# Altium PCB PCB.PcbDoc (part 3 of 5) (continued)
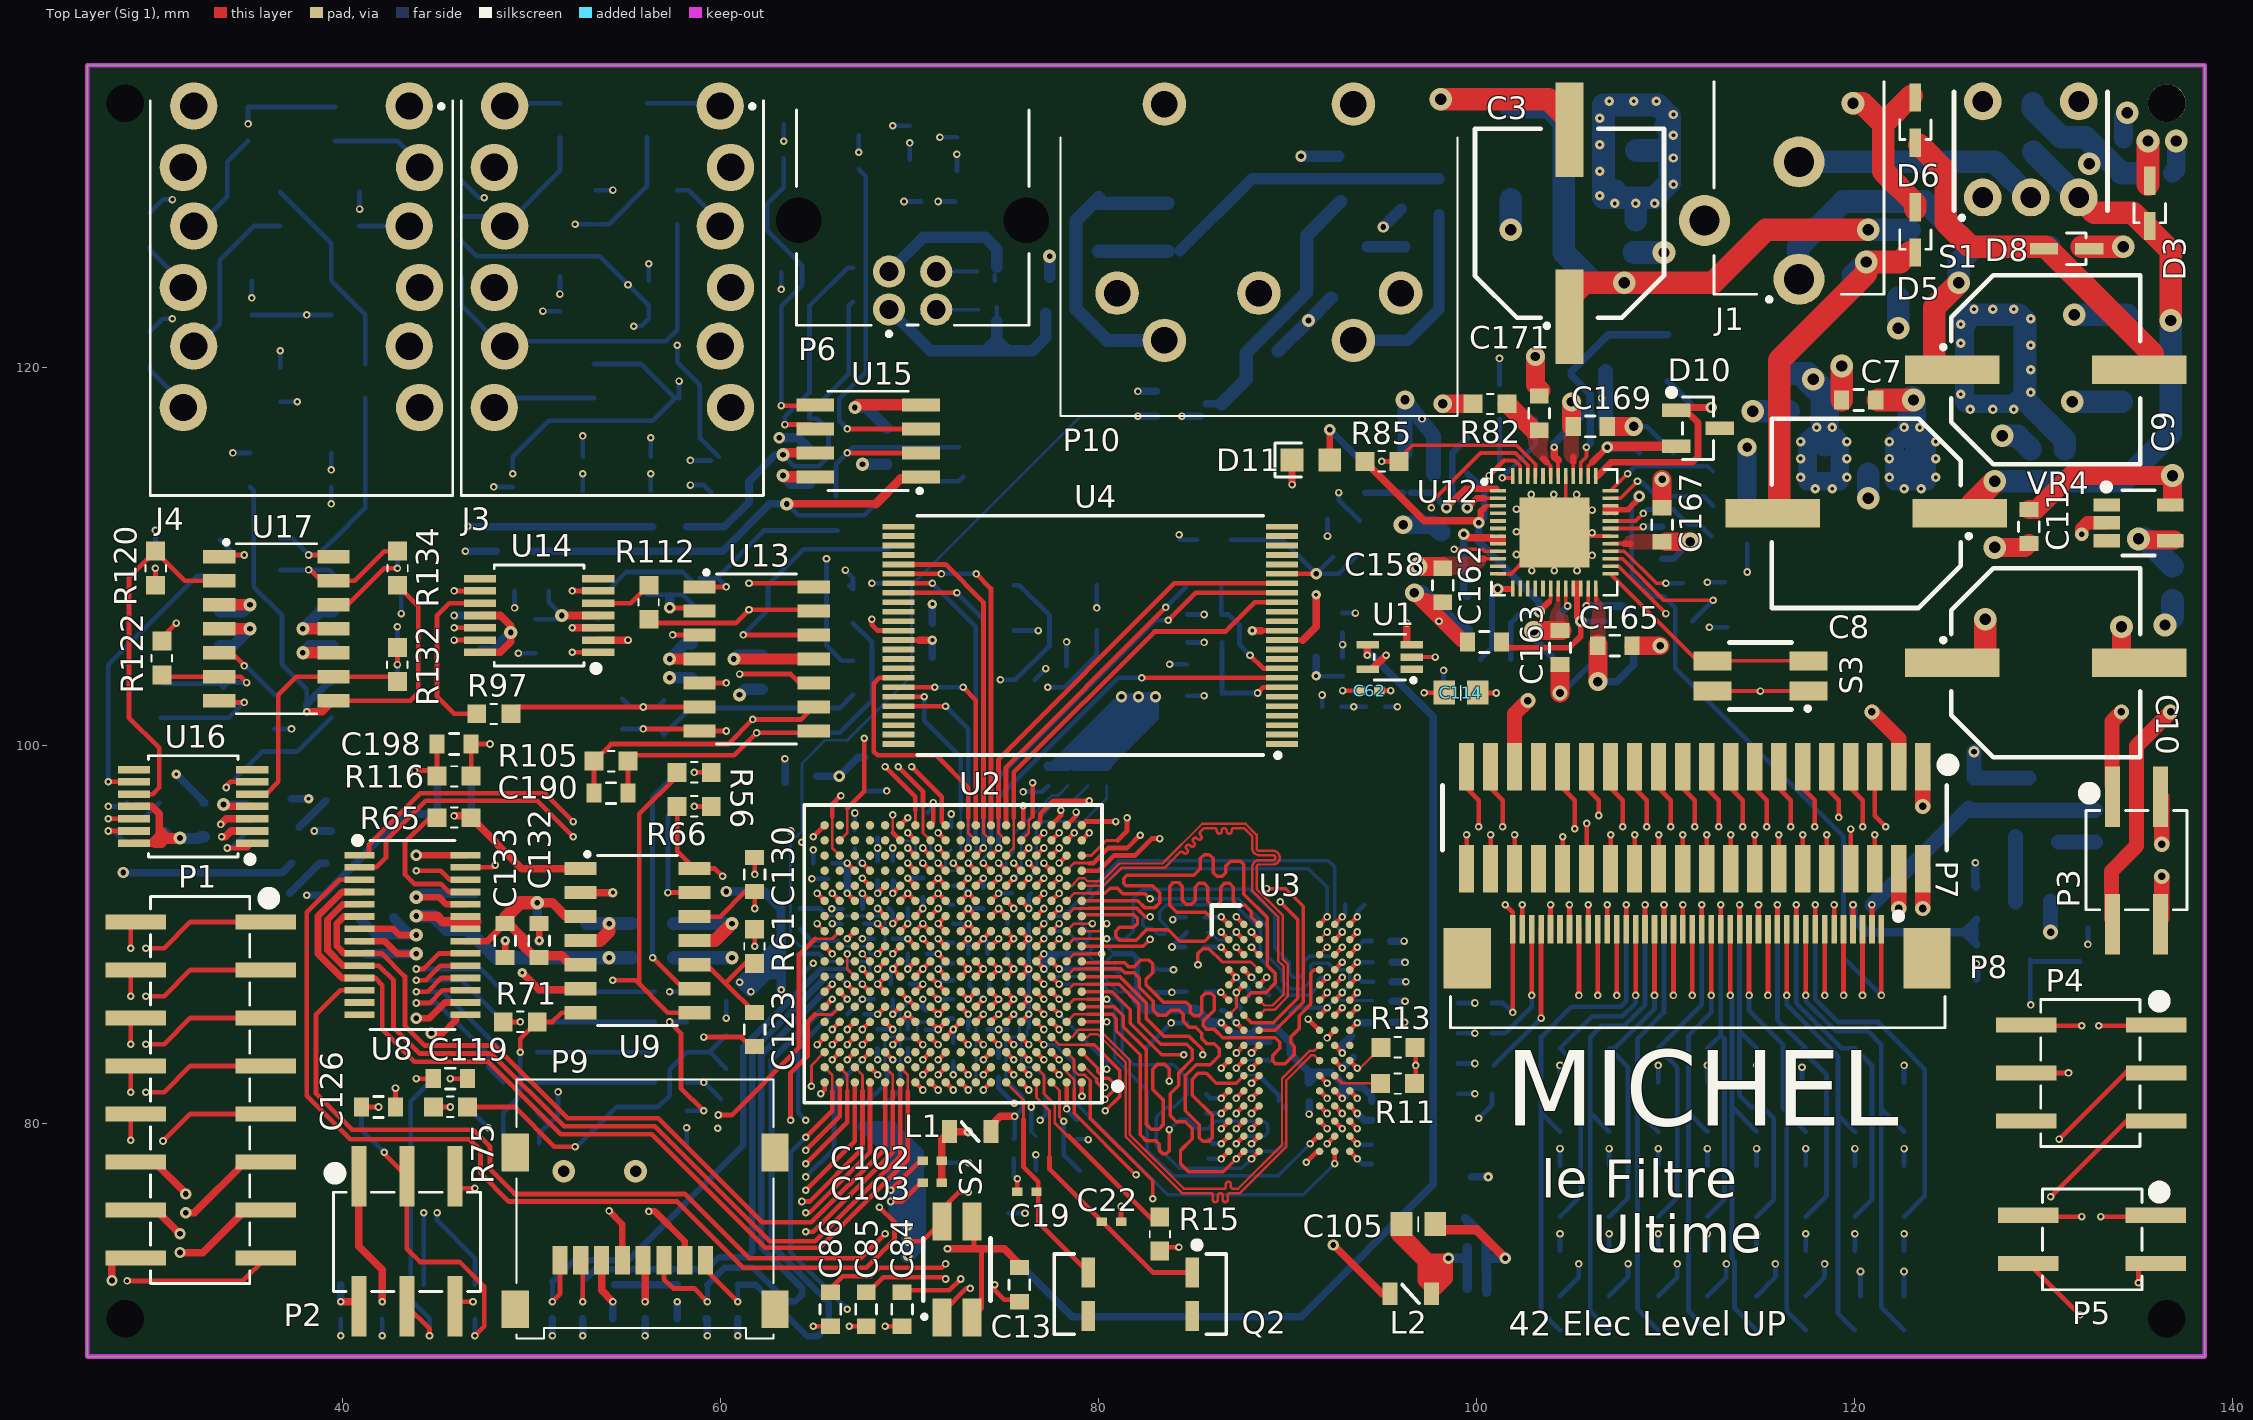
[diagram p0: Top Layer (Sig 1) view]
## Nets (pads, with @x,y where several pads share a name; then routed paths per layer and width w, separated by ;. In a path a pad name is that pad's centre, name@x,y a point inside that pad or via, vN(x,y) a via of type N, cw(c..) or ccw(c..) an arc to the next point about the centre after c; other vN are vias at no path point) (continued)
  Top Layer (Sig 1) w0.15: v1@79.1,81.485 v1(79.114,81.471) ; v1@79.425,79.2 v1(79.45,79.175) ; U3.G1@86.88,85.755 87.28,86.155 v1(87.28,86.955)
  Top Layer (Sig 1) w0.2: U12.12@101.125,109.1 101.8,109.1 U12.49@102.662,109.963 ; U12.49@104.7,112.825 U12.41@104.7,114.275 ; U12.49@105.45,111.1 U12.30@107.075,111.1 ; S3.3@112.46,102.9 v2(115,102.9) S3.1@117.54,102.9
  Top Layer (Sig 1) w0.25: P2.6@46.1,70.6 v2(46.9,70.6) ; P2.5@46.2,76.6 v2(47,76.6) ; v2(64.9,69.3) C86.1@65.8,69.3 ; v1(64.9,95.2) U2.V18@65.5,95.8 ; v1(65.3,81.6) 65.5,81.8 U2.A18@65.5,82.2 ; v2(66.8,69.3) C85.1@67.7,69.3 ; v2(68,106.7) 68,106.4 68.3,106.1 U4.36@69.4,106.1 ; v1(68.3,91.4) U2.M14@68.7,91 ; v2(68.7,69.3) C84.1@69.6,69.3 ; v1(69,75.9) 69.584,75.9 C103.2@70.634,76.95 ; v1(69,76.5) C102.2@70.613,78.113 ; U2.L13@69.5,90.2 v1(69.9,90.6) ; v10(69.9,73.8) 70.66,73.8 S2.3@71.7,74.84 ; U2.G12@70.3,87 v1(70.7,87.4) ; U2.H12@70.3,87.8 v1(70.7,88.2) U2.J11@71.1,88.6 ; U2.L12@70.3,90.2 v1(70.7,90.6) U2.L11@71.1,90.2 ; U2.M12@70.3,91 v1(70.7,91.4) ; v1(70.7,89.8) U2.K11@71.1,89.4 ; U2.G11@71.1,87 v1(71.5,86.6) ; U2.N11@71.1,91.8 v1(71.5,92.2) U2.N10@71.9,91.8 U2.N10@71.875,91.775 ; U2.V11@71.1,95.8 71.25,95.95 v1(71.25,97) ; v1(71.5,88.2) U2.H10@71.9,87.8 ; v1(71.5,89) U2.J10@71.9,88.6 ; v1(71.5,89.8) U2.K10@71.9,89.4 ; S2.1@71.8,69.76 71.8,70.1 73,71.3 v2(73.2,71.3) ; S2.3@71.8,74.84 71.8,75.6 72.6,76.4 v1(73.1,76.4) ; U2.L10@71.9,90.2 v1(71.5,90.6) U2.M10@71.9,91 ; U2.G9@72.7,87 v1(73.1,86.6) U2.G8@73.5,87 ; U2.H9@72.7,87.8 v1(73.1,88.2) U2.J9@72.7,88.6 ; U2.K9@72.7,89.4 v1(73.1,89.8) ; U2.M9@72.7,91 v1(73.1,91.4) U2.M8@73.5,91 ; U2.F8@73.5,86.2 v1(73.9,86.6) ; U2.H8@73.5,87.8 v1(73.9,88.2) U2.J8@73.5,88.6 ; U2.H7@74.3,87.8 v1(74.7,88.2) U2.J7@74.3,88.6 ; U2.K7@74.3,89.4 v1(74.7,89.8) ; U2.M7@74.3,91 v1(74.7,91.4) U2.M6@75.1,91 ; U2.N7@74.3,91.8 v1(74.7,92.2) ; v1(74.5,71.5) 74.5,71.2 75,70.7 C13.1@75.7,70.7 ; U2.H6@75.1,87.8 v1(75.5,88.2) U2.J6@75.1,88.6 ; C19.1@75.692,76.425 75.692,77.092 v3(75.7,77.1) ; U2.A5@75.9,82.2 v1(76.3,81.8) ; v1@79.1,81.485 U2.A1@79.1,82.2 ; U2.V1@79.1,95.8 79.3,96 v1(80.9,96) ; C22.1@81.183,74.825 v1(81.183,75.642) ; R15.1@83.425,73.475 v1(84.242,73.475) ; v1(86.48,78.155) U3.T1@86.879,78.555 ; v1(86.48,79.755) U3.P1@86.879,80.155 ; v1(86.48,81.355) U3.M1@86.879,81.755 ; v1(86.48,90.155) U3.B1@86.88,89.755 ; U3.E1@86.88,87.355 v1(87.28,87.755) U3.D1@86.88,88.155 ; v1(87.28,83.755) U3.J2@87.68,84.155 ; v1(87.28,86.955) U3.E2@87.68,87.355 ; v1(88.08,90.155) U3.B3@88.48,89.755 ; 88.6,106.1 U4.13@89.7,106.1 ; U3.J8@92.48,84.155 v1(92.88,83.755) ; U3.G8@92.48,85.755 v1(92.88,86.155) ; U3.E8@92.48,87.355 v1(92.88,87.755) ; U3.D8@92.48,88.155 v1(92.88,88.555) ; v1(92.9,102.925) C62.2@93.817,102.925 ; U3.T9@93.28,78.555 v1(93.68,78.155) ; U3.P9@93.28,80.155 v1(93.68,79.755) ; U3.M9@93.28,81.755 v1(93.68,81.355) ; U3.G9@93.28,85.755 v1(93.68,86.155) ; U3.F9@93.28,86.555 v1(93.68,86.955) ; U3.B9@93.28,89.755 v1(93.68,90.155) ; U3.A9@93.28,90.555 v1(93.68,90.955) ; R11.2@96.71,82.15 96.77,82.21 v3(96.77,83.1) 96.77,84.01 R13.1@96.73,84.05 ; C114.1@100.045,102.813 100.058,102.8 v3(101.025,102.8) ; P8.36@103.9,90.3 v2(103.9,91.6) ; v2(107.4,86.8) P8.29@107.4,90.3 ; v2(120.4,86.8) P8.3@120.4,90.3 ; P5.4@129.171,72.63 v1(131.9,69.901) ; v1(135,71.6) P5.3@135,72.4
  Top Layer (Sig 1) w0.35: U8.8@40.9,89.675 42.225,89.675 42.9,89 v7(43.9,89) ; C133.1@48.6,88.8 v4(48.6,89.7) ; v4(50.4,89.7) C132.2@50.4,90.6 ; v2(90.225,113.825) 90.225,114.875 D11.1@90.225,115.125
  Top Layer (Sig 1) w0.4: v9(27.8,71.72) P1.16@27.8,73.02 ; v7(33.7,96.9) 33.8,96.8 U16.4@35.224,96.8 ; v8(51.6,106.9) U14.4@53.524,106.9 ; P9.6@53.7,72.8 53.7,71.2 v2(54.3,70.6) ; v4(88.125,106.1) 88.6,106.1 ; U1.3@96.3,105.5 v1(96.3,106.5)
  Top Layer (Sig 1) w0.7: v7(132,111.2) 132,111.5 132.3,111.8 VR4.2@133.323,111.8
  Top Layer (Sig 1) w0.8: v15(96.7,108.1) 97.2,107.6 ; 97.3,107.7 97.4,107.6 ; C158.1@98.2,107.6 97.4,107.6 ; C162.1@99.5,105.6 99.2,105.6 97.2,107.6 ; v18(122.32,91.4) P7.4@122.32,93.5 ; v13(123.59,91.4) P7.2@123.59,93.5 ; P3.4@136.23,90.871 v13(136.23,93.1) ; 97.2,107.6 97.4,107.6
  Top Layer (Sig 1) w1: v14(103.1,120.6) 103.1,119.1 C171.1@103.4,118.8 ; v17(104.4,102.8) C163.2@104.4,104 ; C169.1@107,116.9 v15(108.3,116.9) ; C165.2@108.3,105.3 v13(109.7,105.3) ; C167.2@109.8,112.7 v17(109.8,114.1) ; v5(127.4,110.5) 129,110.5 C11.1@129.2,110.7
  Top Layer (Sig 1) w1.2: v16(98.1,134.2) 103.8,134.2 C3.2@104.9,133.1 ; C7.1@119.3,118.3 v5(119.3,120.099) ; C10.1@126.9,104.6 v5(126.9,106.7) ; D8.1@132,126.4 v5(134.2,126.4) ; D3.2@135.5,129.7 v5(135.5,132)
  Signal Layer 2 w1: 53.8,77.5 v16(55.5,77.5)
  Bottom Layer (Sig 4) w0.16: C25.2@87.508,86 C25.2@87.508,86.155
  Bottom Layer (Sig 4) w0.2: v15@108.2,116.9 v15(108.3,116.9)
  Bottom Layer (Sig 4) w0.25: v2(27.6,96.8) 28.4,96.8 R128.2@28.6,97 ; R103.2@50.2,106.7 51.4,106.7 v8(51.6,106.9) ; R104.2@50.9,108.2 50.9,107.6 v8(51.6,106.9) ; R102.2@53.5,106.7 53.3,106.9 v8(51.6,106.9) ; v1(64.825,92.975) C94.2@65.675,92.975 ; C92.2@64.892,93.8 v1@64.892,94.492 ; v1(65.88,91.39) C49.2@66.442,91.39 ; v1(65.9,90.6) C65.2@66.392,90.6 ; C87.1@66.7,85.8 v1(67.5,86.6) C75.2@68.092,86.6 ; C66.2@67.1,95.558 v1(67.1,96.45) ; v1(67.5,89.8) C52.2@68.092,89.8 ; C90.2@68.3,93.908 v1(68.3,94.6) C91.2@68.3,95.175 ; v1(68.3,83.4) C89.2@68.3,83.992 ; C82.2@69.1,93.908 v1(69.1,94.6) ; v1(69.899,83.401) C78.2@69.899,84 ; v1(69.9,90.6) 69.9,91.392 C58.2@69.908,91.4 ; C77.2@70.008,87.4 v1(70.7,87.4) v1@70.682,87.418 ; v1(70.7,86.6) 70.7,86.158 C79.2@70.85,86.008 ; v1(70.7,91.4) C80.2@70.7,91.992 ; C61.2@70.908,89 v1(71.5,89) ; C101.2@70.925,96.475 71.25,96.8 v1(71.25,97) ; v1(71.5,86.6) C68.2@72.3,86.6 ; v1(71.5,88.2) 71.808,88.508 C53.2@72.3,88.508 ; v1(71.5,89.8) 71.708,89.592 C56.2@72.3,89.592 ; v1(71.5,92.2) 72.108,91.592 C60.2@72.3,91.592 ; C108.1@72.2,95.708 v1(72.2,96.4) ; v1(72.3,82.6) C99.2@72.3,83.267 C99.2@72.3,83.325 ; C57.2@73.1,89 v1(73.1,89.8) ; v1(73.1,91.4) 73.892,91.4 C81.2@73.9,91.392 ; C55.2@73.192,87.492 73.192,87.308 v1(73.9,86.6) ; C88.2@74.108,85 v1(74.7,85) C110.2@75.192,85 ; U7.2@74.5,124.6 U7.2@74.5,124.9 ; C106.1@74.7,82.492 74.7,81.9 v1@75.5,81.1 ; v1(74.7,88.2) 75.192,87.708 C24.2@75.192,87.4 ; v1(74.7,91.4) 75.192,90.908 C109.2@75.192,90.6 ; v1(74.7,92.2) C50.2@75.392,92.2 ; C111.2@75.192,89 75.192,88.508 v1(75.5,88.2) ; C98.1@75.5,78.192 75.5,77.3 v3(75.7,77.1) ; Q1.4@75.5,106.1 v2(76.8,106.1) ; C18.1@76.608,103.5 v2(77.2,104.092) ; C107.2@76.675,77.55 v1(76.675,78.375) ; v1(76.9,80.2) 77.2,80.5 C112.2@77.2,81.392 ; C15.1@78.3,104.208 v2(78.3,105.5) ; C73.2@78.85,79.192 79.433,79.192 v1(79.45,79.175) ; v2(79.9,107.3) Q1.2@79.9,108.5 ; R5.1@82.41,84.06 82.541,84.06 v3(83.829,85.348) C16.1@84.675,85.348 ; R14.1@82.85,88.04 R14.1@83.05,88.24 ; C42.2@82.978,86.99 83.008,86.96 v3(83.87,86.96) 83.907,86.997 C27.2@84.638,86.997 ; R14.1@83.2,88.165 v2@83.88,88.165 ; v3(83.912,90.814) 84.037,90.939 C23.2@84.596,90.939 ; C28.2@84.566,89.363 v3(83.874,89.363) C26.2@84.648,90.137 ; C38.2@85.681,81.575 85.901,81.355 v1(86.48,81.355) ; C32.2@85.79,78.177 85.812,78.155 v1(86.48,78.155) ; v1(87.28,83.755) 87.834,84.309 C36.2@89.055,84.309 ; v1(87.28,86.955) 87.28,86.383 C25.2@87.508,86.155 ; v1(87.28,87.755) 87.967,87.068 C20.2@87.967,86.775 ; v11(91.5,103.7) 91.508,103.692 C64.2@92.9,103.692 ; v2(92.1,111.1) C39.1@92.1,112 ; C63.2@92.833,102.075 v1(93.488,102.075) C113.2@94.142,102.075 ; v1(92.88,83.755) v1@92.88,83.773 ; v1(92.9,102.925) C54.2@93.817,102.925 ; C59.2@92.9,107.033 v3@93.542,107.033 ; v1(93.68,78.155) 93.945,77.89 C34.2@94.432,77.89 ; v1(93.68,90.955) 93.68,91.222 C35.2@94.058,91.6 ; C51.1@100.02,102.812 100.032,102.8 v3(101.025,102.8) ; C160.1@101.2,119.1 v3(101.2,120.5) ; R50.1@104.4,73.3 v1(104.4,74.2) ; R51.1@104.4,77.8 v1(104.4,78.7) ; R49.1@106.997,77.8 v1(106.997,78.7) ; R48.1@106.997,82.2 v1(106.997,83.1) ; v15(108.3,116.9) 109,116.9 C172.1@110.4,115.5 ; R47.1@109.6,77.8 v1(109.6,78.7) ; R46.1@109.6,82.2 v1(109.6,83.1) ; R45.1@112.2,70.9 113.2,71.9 v1(113.2,72.597) ; R44.1@112.2,82.2 v1(112.2,83.1) ; v3(114.3,109.2) C166.1@114.3,110.7 ; R43.1@114.8,77.8 v1(114.8,78.7) ; R42.1@114.8,82.2 v1(114.8,83.1) ; R40.1@117.2,82.1 v1(117.2,83) ; R41.1@117.4,77.8 v1(117.4,78.7) ; R38.1@120,73.3 v1(120,74.2) ; R39.1@120,77.8 v1(120,78.7) ; R37.1@122.6,77.8 v1(122.6,78.7) ; R36.1@122.6,82.2 v1(122.6,83.1) ; v2(132.325,89.5) R16.1@132.325,90.375
  Bottom Layer (Sig 4) w0.254: C44.1@99,81.6 v2(99.9,81.6) ; C43.1@99,83.2 v2(99.9,83.2) ; C45.1@99,84.8 v1(99.9,84.8) ; C46.1@99,86.4 v2(99.9,86.4)
  Bottom Layer (Sig 4) w0.3: v17(104.4,102.8) 104.5,102.8 106.3,104.6 C164.1@106.6,104.6
  Bottom Layer (Sig 4) w0.4: v11(31.2,98.5) C208.2@32.7,97 ; C208.2@32.596,97.019 C208.2@32.6,97 ; v7@33.7,96.948 v7(33.7,96.9) 34.9,96.9 R127.2@35,96.8 ; v3(45.9,106.9) C187.2@47.3,106.9 ; C118.2@54.3,69.7 v2(54.3,70.6) ; C117.1@57.7,69.7 v2(57.7,70.6) ; C83.1@65.096,98.4 v9(66.275,98.4) 67.27,99.395 C95.1@67.613,99.395 ; C40.1@71.2,106.5 v11(71.2,107.5) ; 77.646,99.063 81.183,102.6 v6(81.2,102.6) v6(82.1,102.6) ; 78.002,98.955 81.2,102.153 ; C70.2@78.375,98.917 81.312,101.854 v6@81.312,102.55 ; 78.821,98.955 81.6,101.734 81.6,102.55 ; C97.1@79.296,98.955 81.95,101.609 v6@81.95,102.425 ; 79.771,99.138 82.3,101.667 v6@82.3,102.6 ; 80.046,98.946 82.625,101.525 82.625,102.6 ; C67.2@80.446,98.946 83,101.5 v6(83,102.6) ; v1(84.4,117.45) U5.3@85.4,117.45 ; v1(91.125,80.525) C17.1@91.125,81.167 ; v11(91.5,103.7) C41.1@91.5,104.7 ; v1@92.88,83.773 92.88,84.18 C37.2@93.375,84.675 ; C29.2@95.458,89.675 v2(96.15,89.675) ; C31.2@95.5,85.375 v1(96.175,85.375) ; C33.2@95.525,86.49 v2(96.2,86.49) ; C30.2@95.525,88.55 v2(96.2,88.55) ; C21.2@95.533,87.525 v2(96.25,87.525) ; L3.1@99.7,77.2 v10(100.6,77.2)
  Bottom Layer (Sig 4) w0.45: v2(126.375,93.825) 126.375,92.6 R19.1@126.425,92.55 ; C116.1@126.425,87.675 v1(126.425,88.475)
  Bottom Layer (Sig 4) w0.5: C134.2@41.2,89 C135.1@42.7,89 ; C135.1@42.694,89 C135.1@42.7,89 ; v7(43.9,89) C135.1@42.7,89 ; v6(60.3,92.3) 62.3,92.3 63.192,91.408 C72.2@63.192,90.3 ; C72.2@63.2,90.1 63.2,89.7 ; v1(63.208,87.1) C100.2@63.208,87.8 ; C100.2@63.208,88.2 C100.2@63.2,88.201 ; C76.2@67.5,79.892 69,78.392 v1(69,76.5) ; C76.2@67.7,79.9 69.1,79.9 70.5,78.5 C69.2@70.5,78.139 ; 68,79.85 69.5,78.35 69.5,76.5 ; C74.2@68.6,79.892 70,78.492 70,76.85 ; 69.1,76.2 69.225,76.2 69.9,76.2 ; C69.2@70.683,77.956 C69.2@70.5,78.139 ; C96.1@77.325,98.917 C70.2@78.375,98.917 ; 78.7,98.917 C67.2@80.446,98.917 ; v6(82.1,102.6) 82.3,102.6 82.625,102.6 v6(83,102.6) ; v3(61,87.5) 61.5,87 v3(61.6,87) 62.5,87.9 63.2,87.9 C100.2@63.2,88.201 ; v3(61,87.5) 61.6,87.5 62.4,88.3 ; v3(61,87.5) 63.2,89.7 ; 62.4,88.3 C100.2@63.2,88.201 ; 62.4,88.3 C71.2@63.2,89.1 ; C100.2@63.2,88.201 C71.2@63.2,89.1 ; C71.2@63.2,89.1 63.2,89.7 ; v1(69,76.5) v1(69,75.9) 69.225,75.9 69.8,75.9 69.9,76 70.5,76.6 70.5,77.2 ; v1(69,76.5) 69.5,76.5 ; 69.5,76.5 69.8,76.5 70.5,77.2 ; 70.5,77.2 C69.2@70.5,78.139
  Bottom Layer (Sig 4) w0.6: P6.4@68.905,125.09 70.715,126.9 74,126.9 74.6,126.3 U7.2@74.6,125.322 ; C115.2@77.4,124.8 v20(77.4,125.9) ; v9(90.7,131.2) U11.5@92.7,131.2 ; v9(95.05,127.45) R80.1@96,128.4
  Bottom Layer (Sig 4) w0.7: 69.225,76.425 69.225,76.2 69.225,75.9 69.225,75.275 v10(69.9,74.6) ; 69.9,76 v10(69.9,74.6) ; 70.5,76.6 70.5,73.6 v10(69.9,73) v10(69.9,73.8) v10(69.9,74.6)
  Bottom Layer (Sig 4) w0.8: C175.2@96.2,115.5 v15(96.2,118.3) 96.85,117.476 97.032,117.246 97.7,116.4 C173.1@97.7,116.3 C174.2@97.7,114.4 ; v15(96.7,108.1) 97.1,108.1 99.1,106.1 C161.1@99.4,106.1 ; C159.1@103.1,119.1 v14(103.1,120.6) ; C170.1@106.8,116.9 C168.1@106.8,119.8
  Bottom Layer (Sig 4) w1: C170.1@106.9,116.9 v15@108.2,116.9 ; R87.1@114.3,113.2 R88.1@114.3,114.5 v15(114.3,115.8) ; C1.1@134.2,132.1 134.2,133.3 v5(134.4,133.5) ; C4.1@136.8,130.3 137,130.5 v5(137,132)
  Bottom Layer (Sig 4) w1.2: v5(101.8,127.3) VR2.1@101.8,128.9 ; C6.1@108.3,126.1 v21(109.9,126.1) ; v5(114.6,117.7) C5.1@116.5,117.7 ; v5(120.7,113.1) VR3.2@120.7,114.4 ; v5(122.3,122.1) 122.3,123.7 ; v5(127.8,116.4) 128.6,116.4 C2.1@129.3,115.7 ; v5(131.6,122.8) VR1.1@134.108,122.8 VR1.1@134.408,122.8 ; D4.2@132,126.4 v5(134.2,126.4) ; v5(136.4,106.4) 136.8,106.8 C12.1@136.8,107.7
  other v1: 75.525,81.1 64.9,94.5 97.1,117.3 106.6,118.4
  other v2: 83.955,88.165 102.9,109.275 104.1,109.275 105.3,109.275 106.1,110.075 102.1,110.125 106.1,111.275 102.1,111.325 106.1,112.475 102.1,112.525
  other v3: 98,106.6 93.575,107.025 102.875,113.3 104.075,113.3 105.275,113.3
GNDA_ADC: C47.2 C48.2 C104.2 C105.1 L3.2 U2.A9 U2.E8 | length 52.7
  Top Layer (Sig 1) w0.25: U2.A9@72.7,82.2 v1(73.1,81.8) ; U2.E8@73.5,85.4 v1(73.9,85.8)
  Top Layer (Sig 1) w0.5: C105.1@97.9,74.4 100,74.4 v6(101.5,72.9)
  Signal Layer 2 w0.15: v1(73.1,81.8) 73.1,80.894 73.6,80.394 73.6,75.9
  Signal Layer 2 w0.25: 73.6,75.9 73.6,74.2 76.6,71.2 99.8,71.2 v6(101.5,72.9)
  Bottom Layer (Sig 4) w0.15: v1(73.1,81.8) 73.5,82.2 73.5,85.4 v1(73.9,85.8)
  Bottom Layer (Sig 4) w0.25: C47.2@100.508,72.3 C47.2@100.516,72.292
  Bottom Layer (Sig 4) w0.5: L3.2@99.4,75 100.508,73.892 100.508,72.9 ; C47.2@100.508,72.3 100.508,72.9 ; C104.2@100.516,71.1 C47.2@100.516,72.292 ; v6(101.5,72.9) 100.508,72.9
GPIO_INTERRUPT: P1.10 U2.L18 | length 59.1
  Top Layer (Sig 1) w0.15: v1(65.1,90.6) U2.L18@65.5,90.2
  Top Layer (Sig 1) w0.25: v2(28.8,79.14) P1.10@28.8,80.34
  Signal Layer 3 w0.25: v2(28.8,79.14) 30.715,77.225 31.675,77.225 36.8,72.1 63.1,72.1 65.2,74.2 65.2,80.6 64.2,81.6 64.2,89.7 v1(65.1,90.6)
I2C0_SCL: P1.11 U2.C16 | length 51.8
  Top Layer (Sig 1) w0.25: v1(66.7,83.4) U2.C16@67.1,83.8
  Top Layer (Sig 1) w0.4: v9(31.7,75.3) 32.16,75.3 P1.11@34.85,77.99
  Signal Layer 2 w0.4: v9(31.7,75.3) 31.84,75.3 35.34,71.8 64.8,71.8 66.7,73.7 v1(66.7,83.4)
I2C0_SDA: P1.12 U2.C17 | length 49
  Top Layer (Sig 1) w0.25: v1(65.9,83.4) U2.C17@66.3,83.8
  Top Layer (Sig 1) w0.4: P1.12@30.05,77.99 31.7,76.34 v9(31.7,76.3)
  Signal Layer 2 w0.4: v9(31.7,76.3) 31.74,76.3 35.604,72.436 64.636,72.436 65.9,73.7 v1(65.9,83.4)
I2C1_SCL: R83.1 U2.D15 U12.28 | length 135.1
  Top Layer (Sig 1) w0.2: U12.28@107.075,110.3 107.8,110.3 109.5,108.6 v3(110,108.6)
  Top Layer (Sig 1) w0.25: v1(67.5,84.2) U2.D15@67.9,84.6
  Signal Layer 3 w0.15: v1(67.5,84.2) 67.9,83.8 67.9,83.075 67.7,82.875
  Signal Layer 3 w0.25: 67.7,82.875 67.7,72.2 70.35,69.55 128.15,69.55 133.5,74.9 133.5,94 120.3,107.2 111.4,107.2 v3(110,108.6)
  Bottom Layer (Sig 4) w0.25: v3(110,108.6) R83.1@110.9,108.6
I2C1_SDA: R84.1 U2.D16 U12.27 | length 137.5
  Top Layer (Sig 1) w0.2: U12.27@107.075,109.9 107.7,109.9 109.9,107.7 v2(112.5,107.7)
  Top Layer (Sig 1) w0.25: v1(66.7,84.2) U2.D16@67.1,84.6
  Signal Layer 3 w0.15: v1(66.7,84.2) 67.1,83.8 67.1,83.075 67.3,82.875
  Signal Layer 3 w0.25: 67.3,82.875 67.3,72 70.2,69.1 128.3,69.1 133.9,74.7 133.9,94.2 120.4,107.7 v2(112.5,107.7)
  Bottom Layer (Sig 4) w0.25: R84.1@111.4,106.6 v2(112.5,107.7)
I2C2_SCL: P1.13 U2.D17 U14.2 U16.2 | length 110.8
  Top Layer (Sig 1) w0.25: v1(65.9,84.2) U2.D17@66.3,84.6
  Top Layer (Sig 1) w0.4: v9(31.4,73.2) 32.6,73.2 34.85,75.45 P1.13@35.929,75.45 ; v2(33.6,95.2) 33.8,95.2 34.1,95.5 U16.2@35.224,95.5 ; U14.2@53.524,105.6 v3(55.1,105.6)
  Signal Layer 2 w0.4: v3(55.1,105.6) 55.1,104.6 63,96.7 63,88.3 65.25,86.05 65.25,84.85 v1(65.9,84.2)
  Signal Layer 3 w0.4: v9(31.4,73.2) 35.2,69.4 62.1,69.4 66.6,73.9 66.6,81.9 65.3,83.2 65.3,83.6 v1(65.9,84.2) ; v2(33.6,95.2) 33.9,95.2 41.7,103 52.5,103 v3(55.1,105.6)
I2C2_SDA: P1.14 U2.D18 U14.3 U16.3 | length 106
  Top Layer (Sig 1) w0.25: v1(65.1,84.2) U2.D18@65.5,84.6
  Top Layer (Sig 1) w0.4: P1.14@29.071,75.45 P1.14@30.05,75.45 ; P1.14@30.05,75.55 v9(31.4,74.2) ; v2(33.55,95.85) 33.85,96.15 U16.3@35.224,96.15 ; v3(52.148,106.25) U14.3@53.524,106.25
  Signal Layer 2 w0.4: v3(52.148,106.25) 52.55,106.25 62.4,96.4 62.4,86.9 v1(65.1,84.2)
  Signal Layer 3 w0.4: v9(31.4,74.2) 35.6,70 61.8,70 65.975,74.175 65.975,81.632 65.507,82.1 65.5,82.1 64.7,82.9 64.7,83.8 v1(65.1,84.2) ; v2(33.55,95.85) 33.95,96.25 33.969,96.25 34.35,96.631 34.35,96.65 41.4,103.7 49.598,103.7 v3(52.148,106.25)
LCD_B0: P7.21 P8.21 U2.U10 | length 67.5
  Top Layer (Sig 1) w0.25: v1(71.5,95.4) U2.U10@71.9,95 ; P7.21@110.89,98.9 110.89,97.755 111.525,97.12 v2(111.525,95.72) ; v2(111.4,86.8) P8.21@111.4,90.3
  Signal Layer 2 w0.15: v1(71.5,95.4) 71.1,95 71.1,93.648 71.348,93.4 71.7,93.4 72.5,92.6 78.1,92.6 79.1,93.6 79.1,95.6 78.9,95.8 78.1,95.8 77.5,96.4
  Signal Layer 2 w0.25: 77.5,96.4 77.5,97 78.9,98.4 108.845,98.4 v2(111.525,95.72) 111.525,94.925 111.4,94.8 v2(111.4,86.8)
LCD_B1: P7.22 P8.22 U2.U12 | length 53.7
  Top Layer (Sig 1) w0.25: v1(69.9,95.4) U2.U12@70.3,95 ; P7.22@110.89,93.5 v2(110.89,95.3) ; P8.22@110.9,90.3 v2(110.9,91.6)
  Signal Layer 3 w0.15: v1(69.9,95.4) 70.3,95.8 70.3,96.6
  Signal Layer 3 w0.25: 70.3,96.6 70.3,96.651 74.249,100.6 106.41,100.6 110.89,96.12 v2(110.89,95.3) 110.9,95.29 v2(110.9,91.6)
LCD_B2: P7.23 P8.23 U2.V13 | length 68.5
  Top Layer (Sig 1) w0.25: U2.V13@69.5,95.8 v1(69.9,96.2) ; P7.23@109.62,98.9 109.62,97.755 110.255,97.12 v2(110.255,95.72) ; v2(110.4,86.8) P8.23@110.4,90.3
  Signal Layer 2 w0.15: v1(69.9,96.2) 70.3,95.8 70.3,93.2 70.9,92.6 72,92.6 72.8,91.8 78.1,91.8 79.9,93.6 79.9,95.7 79.5,96.1 78.6,96.1 78.4,96.3 78.4,96.9
  Signal Layer 2 w0.25: 78.4,96.9 78.4,97.3 79.091,97.991 107.984,97.991 v2(110.255,95.72) 110.255,94.845 110.4,94.7 v2(110.4,86.8)
LCD_B3: P7.24 P8.24 R31.1 R47.2 U2.U4 | length 70.4
  Top Layer (Sig 1) w0.25: U2.U4@76.7,95 v1(77.1,95.4) ; P7.24@109.62,93.5 v2(109.62,95.3) ; P8.24@109.9,90.3 v2(109.9,91.6)
  Signal Layer 3 w0.15: v1(77.1,95.4) 77.37,95.4 78.4,96.43 78.4,96.9
  Signal Layer 3 w0.25: 78.4,96.9 79.3,97.8 93.397,97.8 100.997,90.2 108.5,90.2 v2(109.9,91.6) 109.9,95.02 v2(109.62,95.3)
  Bottom Layer (Sig 4) w0.25: R31.1@109.6,69.1 108.5,70.2 108.5,80.7 ; R47.2@109.6,79.6 108.5,80.7 ; v2(109.9,91.6) 109.9,85.9 108.5,84.5 108.5,80.7
LCD_B4: P7.25 P8.25 R32.1 R48.2 U2.V2 | length 62.2
  Top Layer (Sig 1) w0.25: U2.V2@78.3,95.8 78.8,96.3 v1(78.8,96.5) ; P7.25@108.35,98.9 108.35,97.755 108.985,97.12 v2(108.985,95.72) ; v2(109.4,86.8) P8.25@109.4,90.2
  Signal Layer 2 w0.25: v1(78.8,96.5) 78.8,97.1 79.3,97.6 107.105,97.6 v2(108.985,95.72) 108.985,94.915 109.4,94.5 v2(109.4,86.8)
  Bottom Layer (Sig 4) w0.25: R32.1@106.997,75.1 108,76.103 108,83 R48.2@107.05,83.95 ; R48.2@107,84 107.3,84 109.4,86.1 v2(109.4,86.8)
LCD_B5: P7.26 P8.26 R33.1 R49.2 U2.V3 | length 69.7
  Top Layer (Sig 1) w0.25: U2.V3@77.5,95.8 78,96.3 v1(78,96.6) ; P7.26@108.35,93.5 v2(108.35,95.3) ; P8.26@108.9,90.3 v2(108.9,91.6)
  Signal Layer 3 w0.25: v1(78,96.6) 78,97.1 79.1,98.2 93.563,98.2 101.163,90.6 107.9,90.6 v2(108.9,91.6) 108.9,94.75 v2(108.35,95.3)
  Bottom Layer (Sig 4) w0.25: R33.1@107,69.107 106,70.107 106,80.6 ; R49.2@107,79.6 106,80.6 ; v2(108.9,91.6) 108.9,86.3 107.8,85.2 106.6,85.2 106,84.6 106,80.6
LCD_B6: P7.27 P8.27 R34.1 R50.2 U2.V4 | length 63.7
  Top Layer (Sig 1) w0.25: U2.V4@76.7,95.8 76.9,96 76.9,96.4 77.6,97.1 v1(79.5,97.1) ; P7.27@107.08,98.9 107.08,97.755 107.715,97.12 v2(107.715,95.72) ; v2(108.4,86.8) P8.27@108.4,90.3
  Signal Layer 2 w0.25: v1(79.5,97.1) 106.335,97.1 v2(107.715,95.72) 107.715,94.985 108.4,94.3 v2(108.4,86.8)
  Bottom Layer (Sig 4) w0.25: R50.2@104.4,75.1 105.5,76.2 105.5,82.9 R34.1@104.4,84 106.1,85.7 107.7,85.7 108.4,86.4 v2(108.4,86.8)
LCD_B7: P7.28 P8.28 R35.1 R51.2 U2.T5 | length 73
  Top Layer (Sig 1) w0.25: U2.T5@75.9,94.2 v1(76.3,94.6) ; P7.28@107.08,93.5 v2(107.08,95.3) ; P8.28@107.9,90.3 v2(107.9,91.6)
  Signal Layer 3 w0.15: v1(76.3,94.6) 76.3,95.2 77,95.9 77.1,95.9
  Signal Layer 3 w0.25: 77.1,95.9 77.5,96.3 77.5,97.2 78.9,98.6 93.728,98.6 101.328,91 107.3,91 v2(107.9,91.6) 107.9,94.48 v2(107.08,95.3)
  Bottom Layer (Sig 4) w0.25: R35.1@104.397,69.1 103.4,70.097 103.4,80.6 ; R51.2@104.4,79.6 103.4,80.6 ; v2(107.9,91.6) 107.9,86.495 107.605,86.2 105,86.2 103.4,84.6 103.4,80.6
LCD_BKL: P7.36 Q3.3 R16.2 U2.C18 | length 141.2
  Top Layer (Sig 1) w0.15: v1(64.8,82) 64.8,83.1 U2.C18@65.5,83.8
  Top Layer (Sig 1) w0.25: P7.36@102,93.5 v2(102,95.3)
  Signal Layer 2 w0.15: v1(64.8,82) 64.8,83.1 65.5,83.8 69.3,83.8 69.5,83.6 69.5,82.875
  Signal Layer 2 w0.25: 69.5,82.875 69.5,75.5 69.2,75.2 69.2,71.8 71.9,69.1 126.8,69.1 132.5,74.8 132.5,83.1 v1(129.3,86.3) 105.125,86.3 104.4,87.025 104.4,92.9 v2(102,95.3)
  Bottom Layer (Sig 4) w0.25: Q3.3@129.25,88.6 Q3.3@129.275,88.6 ; v1@129.275,86.275 Q3.3@129.275,88.6 ; Q3.3@129.275,88.7 Q3.3@129.275,88.6 ; R16.2@131.925,88.6 Q3.3@129.275,88.6
LCD_CLK: P7.31 P8.30 U2.V5 | length 42.5
  Top Layer (Sig 1) w0.25: U2.V5@75.9,95.8 76.004,95.904 v1(76.004,96.83) ; P7.31@104.54,98.9 104.54,97.755 105.175,97.12 v2(105.175,95.62) ; P8.30@106.9,90.3 v2(106.9,91.6)
  Signal Layer 3 w0.25: v1(76.004,96.83) 78.574,99.4 101.395,99.4 v2(105.175,95.62) 106.9,93.895 v2(106.9,91.6)
LCD_DE: P7.32 P8.34 U2.R6 | length 42.7
  Top Layer (Sig 1) w0.25: v1(74.7,93.8) U2.R6@75.1,93.4 ; P7.32@104.54,93.5 v2(104.54,95.2) ; P8.34@104.9,90.3 v2(104.9,91.6)
  Signal Layer 3 w0.15: v1(74.7,93.8) 75.1,93.4 75.65,93.4 75.9,93.65 75.9,95.3
  Signal Layer 3 w0.25: 75.9,95.3 77.1,96.5 77.1,97.4 78.7,99 100.74,99 v2(104.54,95.2) 104.9,94.84 v2(104.9,91.6)
LCD_G0: P7.13 P8.13 U2.T10 | length 73.1
  Top Layer (Sig 1) w0.25: v1(71.5,94.6) U2.T10@71.9,94.2 ; v2(115.4,86.8) P8.13@115.4,90.3 ; P7.13@115.97,98.9 115.97,97.755 116.605,97.12 v2(116.605,95.72)
  Signal Layer 2 w0.15: v1(71.5,94.6) 71.9,94.2 71.9,93.6 72.1,93.4 76.5,93.4 76.7,93.6 76.7,94 76.5,94.2 76.1,94.2 75.65,94.65
  Signal Layer 2 w0.25: 75.65,94.65 74.8,95.5 74.8,98.4 76.4,100 112.325,100 v2(116.605,95.72) 116.605,95.205 115.4,94 v2(115.4,86.8)
LCD_G1: P7.14 P8.14 U2.T12 | length 61
  Top Layer (Sig 1) w0.25: v1(69.9,94.6) U2.T12@70.3,94.2 ; P8.14@114.9,90.4 v2(114.9,91.6) ; P7.14@115.97,93.5 v2(115.97,95.3)
  Signal Layer 3 w0.15: 69.5,96.6 69.5,95 v1(69.9,94.6)
  Signal Layer 3 w0.25: 69.5,96.6 73.9,101 111.09,101 115.97,96.12 v2(115.97,95.3) 114.9,94.23 v2(114.9,91.6)
LCD_G2: P7.15 P8.15 R25.1 R41.2 U2.T2 | length 85.6
  Top Layer (Sig 1) w0.25: v1(77.9,93.8) U2.T2@78.3,94.2 ; v2(114.4,86.8) P8.15@114.4,90.3 ; P7.15@114.7,98.9 114.7,97.755 115.335,97.12 v2(115.335,95.72)
  Signal Layer 2 w0.15: 75.8,95.3 76.1,95 76.5,95 76.7,94.8 76.7,94.4 76.9,94.2 77.501,94.2 v1(77.9,93.8)
  Signal Layer 2 w0.25: 75.8,95.3 75.15,95.95 75.15,98.15 76.6,99.6 111.455,99.6 v2(115.335,95.72) 115.335,95.135 114.4,94.2 v2(114.4,86.8)
  Bottom Layer (Sig 4) w0.25: v2(114.4,86.8) 114.4,86 116.2,84.2 116.2,80.8 116.4,80.6 ; R25.1@117.397,69.1 116.4,70.097 116.4,80.6 ; R41.2@117.4,79.6 116.4,80.6
LCD_G3: P7.16 P8.16 R26.1 R42.2 U2.T3 | length 68.3
  Top Layer (Sig 1) w0.25: U2.T3@77.5,94.2 v1(77.9,94.6) ; P8.16@113.9,90.3 v2(113.9,91.6) ; P7.16@114.7,93.5 v2(114.7,95.3)
  Signal Layer 3 w0.15: v1(77.9,94.6) 78.3,95 79.7,95 79.9,95.2 79.9,95.7
  Signal Layer 3 w0.25: 79.9,95.7 80.825,96.625 92.841,96.625 100.466,89 111.3,89 v2(113.9,91.6) 113.9,94.5 v2(114.7,95.3)
  Bottom Layer (Sig 4) w0.25: v2(113.9,91.6) 113.9,84.9 ; R26.1@114.8,75.1 115.7,76 115.7,80.3 115.1,80.9 114.5,80.9 113.9,81.5 113.9,84.9 ; R42.2@114.8,84 113.9,84.9
LCD_G4: P7.17 P8.17 R27.1 R43.2 U2.T4 | length 81.5
  Top Layer (Sig 1) w0.25: U2.T4@76.7,94.2 v1(77.1,94.6) ; v2(113.4,86.8) P8.17@113.4,90.2 ; P7.17@113.43,98.9 113.43,97.755 114.065,97.12 v2(114.065,95.72)
  Signal Layer 2 w0.15: 75.6,96.2 76,95.8 76.5,95.8 76.7,95.6 76.7,95.2 77.1,94.8 v1(77.1,94.6)
  Signal Layer 2 w0.25: 75.6,96.2 75.5,96.3 75.5,97.9 76.8,99.2 110.585,99.2 v2(114.065,95.72) 114.065,95.065 113.4,94.4 v2(113.4,86.8)
  Bottom Layer (Sig 4) w0.25: v2(113.4,86.8) 113.5,86.7 113.5,80.9 ; R27.1@114.797,69.1 113.625,70.272 113.625,72.773 113.5,72.898 113.5,80.9 ; R43.2@114.8,79.6 113.5,80.9
LCD_G5: P7.18 P8.18 R28.1 R44.2 U2.U1 | length 63.9
  Top Layer (Sig 1) w0.25: U2.U1@79.1,95 v1(79.5,95.4) ; P8.18@112.9,90.3 v2(112.9,91.6) ; P7.18@113.43,93.5 v2(113.43,95.3)
  Signal Layer 3 w0.25: v1(79.5,95.4) 79.5,95.9 80.6,97 93.031,97 100.631,89.4 110.7,89.4 v2(112.9,91.6) 112.9,94.77 v2(113.43,95.3)
  Bottom Layer (Sig 4) w0.25: R28.1@112.2,75.1 113.1,76 113.1,84.5 112.9,84.7 ; R44.2@112.2,84 112.9,84.7 ; v2(112.9,91.6) 112.9,84.7